# KiCad board hh2024.kicad_pcb (continued)
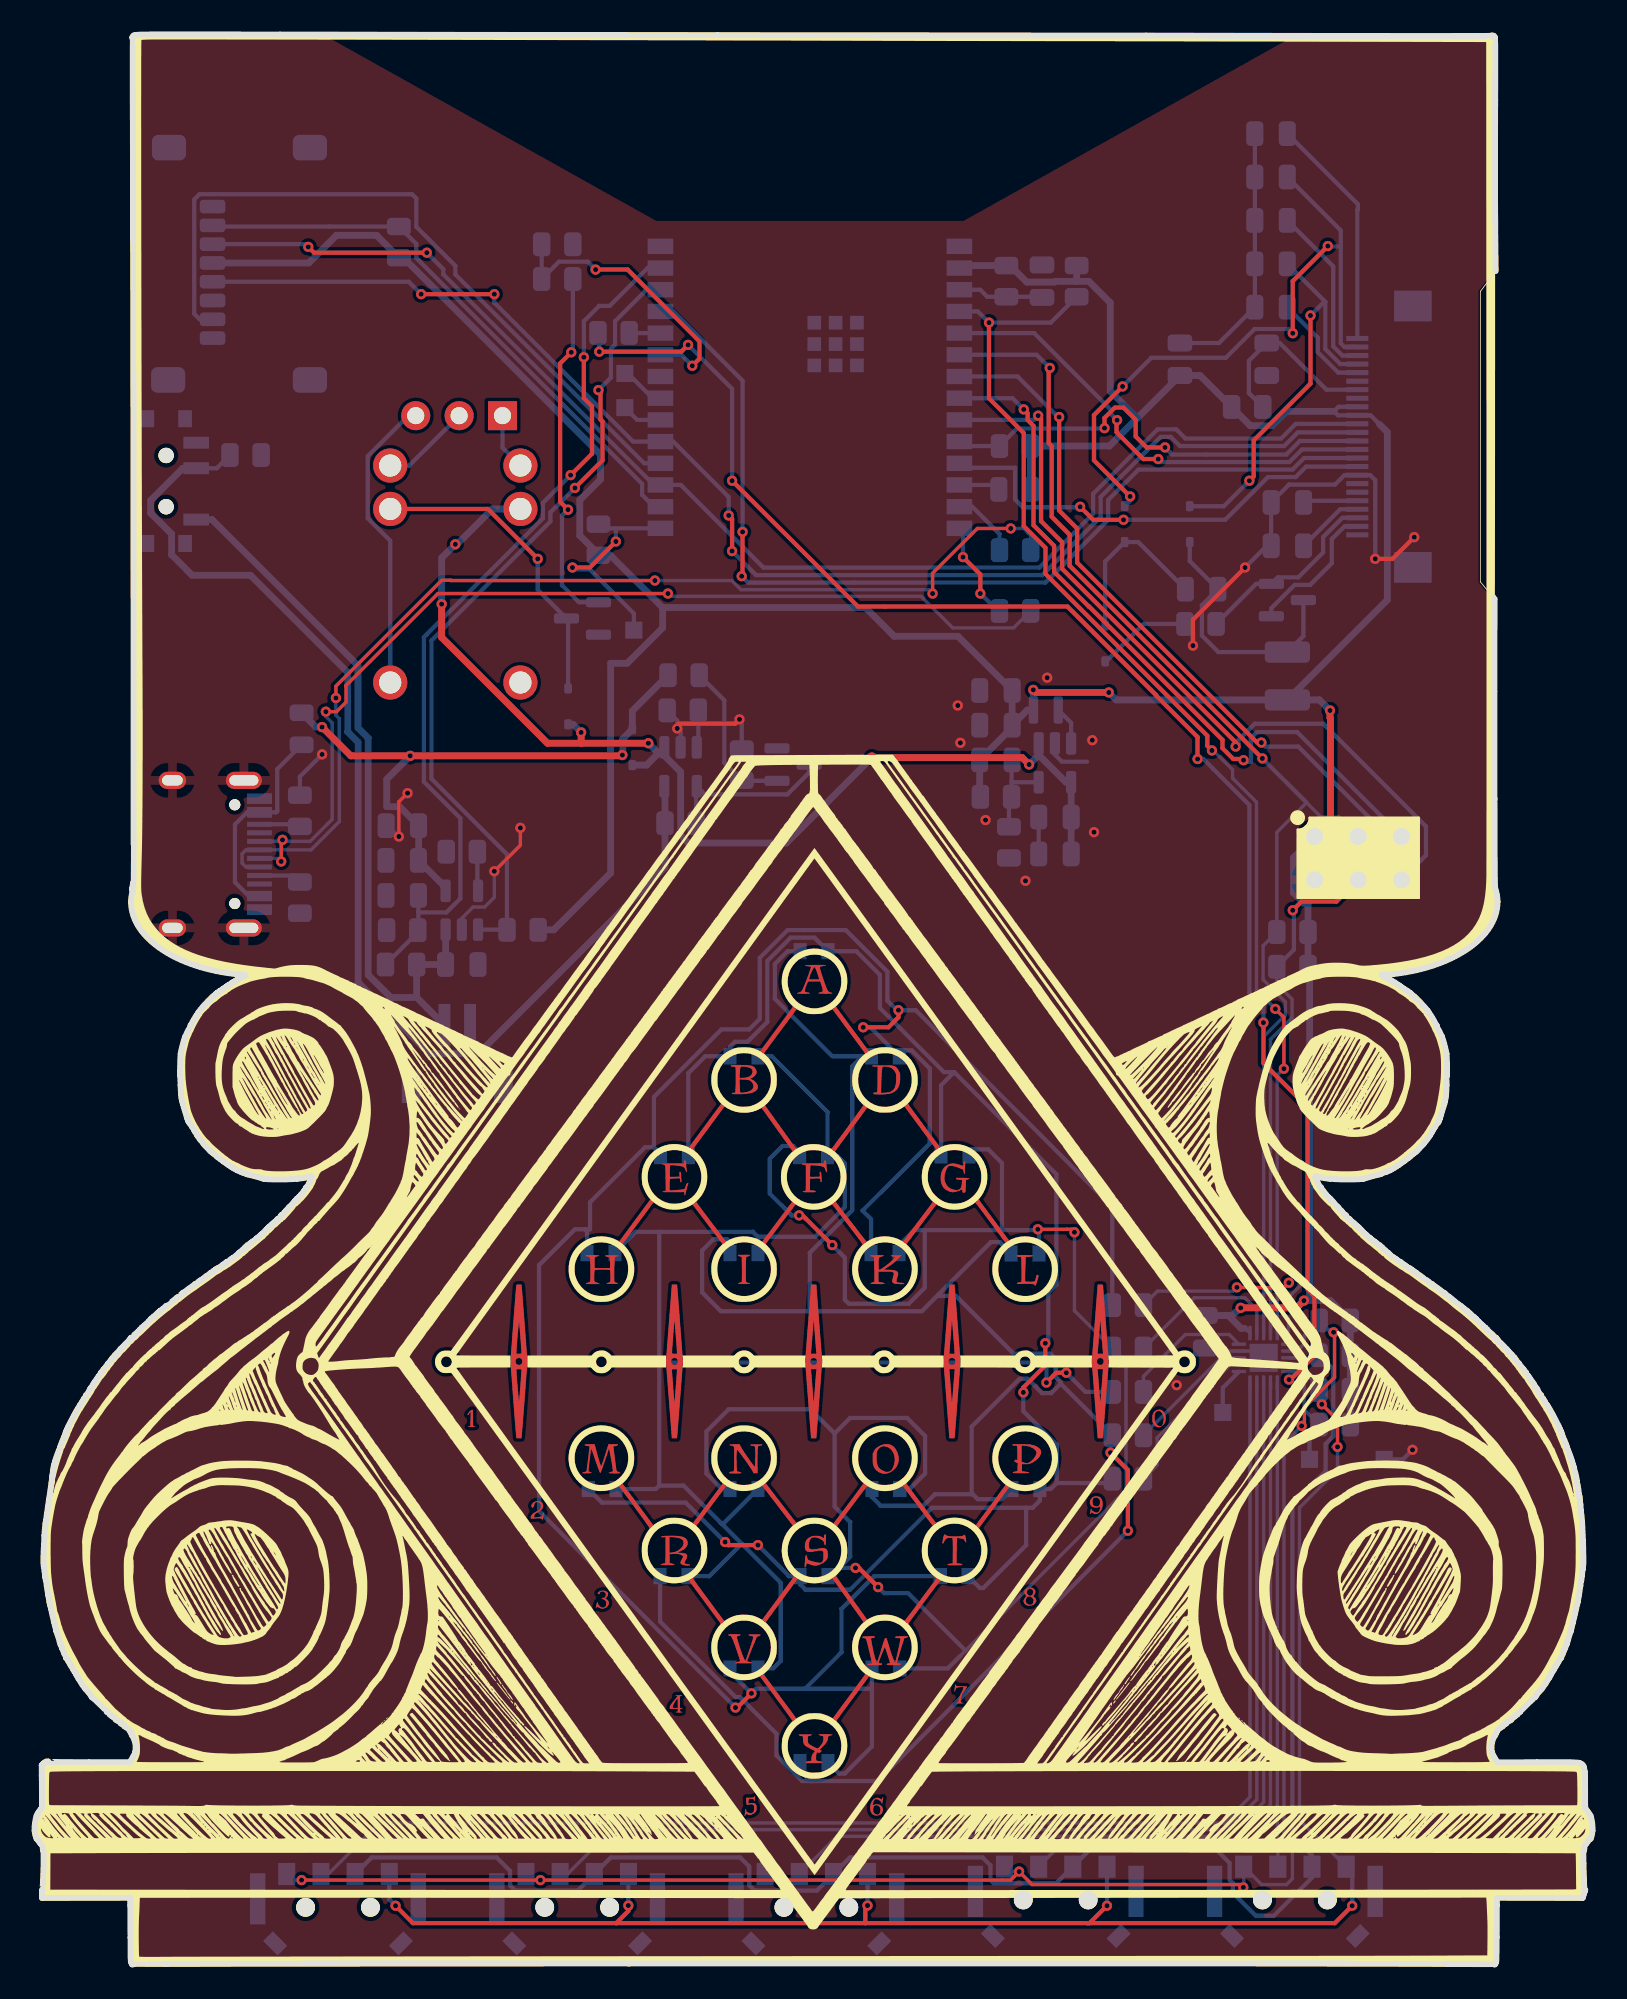
[diagram p0: board, top side]
## Library data of the parts (continued)

## Footprints (pads in the part's own frame, mm; a bottom-side part is the same pattern mirrored in y, then rotated)
C_0805_2012Metric
  rrect 1x1.45 smd: 1(-0.95,0) 2(0.95,0)
D_SOD-323
  rrect 0.6x0.45 smd: 1(-1.05,0) 2(1.05,0)
ESP32-C6-WROOM-1
  rect 1.5x0.9 smd: 1(-8.75,8.26) 2(-8.75,6.99) 3(-8.75,5.72) 4(-8.75,4.45) 5(-8.75,3.18) 6(-8.75,1.91) 7(-8.75,0.64) 8(-8.75,-0.63) 9(-8.75,-1.9) 10(-8.75,-3.17) 11(-8.75,-4.44) 12(-8.75,-5.71) 13(-8.75,-6.98) 14(-8.75,-8.25) 15(8.75,-8.25) 16(8.75,-6.98) 17(8.75,-5.71) 18(8.75,-4.44) 19(8.75,-3.17) 20(8.75,-1.9) 21(8.75,-0.63) 22(8.75,0.64) 23(8.75,1.91) 24(8.75,3.18) 25(8.75,4.45) 26(8.75,5.72) 27(8.75,6.99) 28(8.75,8.26)
  rect 0.8x0.8 smd: 29(-2.755,1.29) 29(-2.755,2.54) 29(-2.755,3.79) 29(-1.505,1.29) 29(-1.505,2.54) 29(-1.505,3.79) 29(-0.255,1.29) 29(-0.255,2.54) 29(-0.255,3.79)
Fuse_0805_2012Metric
  rrect 0.975x1.4 smd: 1(-0.938,0) 2(0.938,0)
Hirose_FH12-24S-0.5SH_1x24-1MP_P0.50mm_Horizontal
  rect 0.3x1.3 smd: 1(-5.75,1.85) 2(-5.25,1.85) 3(-4.75,1.85) 4(-4.25,1.85) 5(-3.75,1.85) 6(-3.25,1.85) 7(-2.75,1.85) 8(-2.25,1.85) 9(-1.75,1.85) 10(-1.25,1.85) 11(-0.75,1.85) 12(-0.25,1.85) 13(0.25,1.85) 14(0.75,1.85) 15(1.25,1.85) 16(1.75,1.85) 17(2.25,1.85) 18(2.75,1.85) 19(3.25,1.85) 20(3.75,1.85) 21(4.25,1.85) 22(4.75,1.85) 23(5.25,1.85) 24(5.75,1.85)
  rect 1.8x2.2 smd: MP(-7.65,-1.4) MP(7.65,-1.4)
HRS1H-S-DC3V
  round 2 hole 1.3: 1(-6.35,-3.81) 2(3.81,-3.81) 3(6.35,-3.81) 4(6.35,3.81) 5(3.81,3.81) 6(-6.35,3.81)
Inductor_MSC20FC
  rrect 0.55x1.6 smd: 1(-0.725,0) 2(0.725,0)
JST_S2B-ZR-SM4A-TF(LF)(SN)
  rect 0.7x2.5 smd: 1(-0.75,2.15) 2(0.75,2.15)
  rect 1.1x1.9 smd: MP(-2.7,-1.45) MP(2.7,-1.45)
L_1210_3225Metric
  rrect 1.25x2.65 smd: 1(-1.4,0) 2(1.4,0)
MicroSD-SOFNG-TF-002-H18
  rrect 0.8x1.5 smd: 1(3.3,-0.05) 2(2.2,-0.05) 3(1.1,-0.05) 4(0,-0.05) 5(-1.1,-0.05) 6(-2.2,-0.05) 7(-3.3,-0.05) 8(-4.4,-0.05)
  rrect 1.5x2 smd: 9(-6.85,-2.65) 9(-6.85,5.65) 9(6.75,-2.6) 9(6.75,5.65)
PinHeader_1x03_P2.54mm_Vertical
  rect 1.7x1.7 hole 1: 1(0,0)
  oval 1.7x1.7 hole 1: 2(0,-2.54) 3(0,-5.08)
QFN-20-1EP_3x3mm_P0.4mm_EP1.65x1.65mm
  rrect 0.67x0.67 smd: (-0.41,-0.41) (-0.41,0.41) (0.41,-0.41) (0.41,0.41)
  rrect 0.85x0.2 smd: 1(-1.45,0.8) 2(-1.45,0.4) 3(-1.45,0) 4(-1.45,-0.4) 5(-1.45,-0.8) 11(1.45,-0.8) 12(1.45,-0.4) 13(1.45,0) 14(1.45,0.4) 15(1.45,0.8)
  rrect 0.2x0.85 smd: 6(-0.8,-1.45) 7(-0.4,-1.45) 8(0,-1.45) 9(0.4,-1.45) 10(0.8,-1.45) 16(0.8,1.45) 17(0.4,1.45) 18(0,1.45) 19(-0.4,1.45) 20(-0.8,1.45)
  rect 1.65x1.65 smd: 21(0,0)
R_0805_2012Metric
  rrect 1.025x1.4 smd: 1(-0.912,0) 2(0.912,0)
SAO2
  oval 1.7x1.7 hole 1: 1(0,0) 2(2.54,0) 3(0,-2.54) 4(2.54,-2.54) 5(0,-5.08) 6(2.54,-5.08)
SOT-23
  rrect 1.475x0.6 smd: 1(-0.938,0.95) 2(-0.938,-0.95) 3(0.938,0)
SOT-23-5
  rrect 1.325x0.6 smd: 1(-1.137,0.95) 2(-1.137,0) 3(-1.137,-0.95) 4(1.137,-0.95) 5(1.137,0.95)
SW_SPDT_PCM12
  rect 1x0.8 smd: (-3.65,-1.43) (-3.65,0.78) (3.65,-1.43) (3.65,0.78)
  round 0.9 hole 0.9 unplated: (-1.5,-0.33) (1.5,-0.33)
  rect 0.7x1.5 smd: 1(-2.25,1.43) 2(0.75,1.43) 3(2.25,1.43)
TestPoint_Pad_1.0x1.0mm
  rect 1x1 smd: 1(0,0)
TM-2023
  rect 0.9x3 smd: (-4.688,-0.471) (4.712,-0.471)
  rect 1.2x0.8 smd rot 135: (-3.668,2.139)
  round 1.1 hole 1.1 unplated: (-1.888,0.029) (1.912,0.029)
  rect 1.2x0.8 smd rot 45: (3.692,2.139)
  rect 1x1.3 smd: 1(-2.988,-1.921) 2(3.012,-1.921) C(-0.988,-1.921) T(1.012,-1.921)
USB_C_Receptacle_HRO_TYPE-C-31-M-12
  round 0.65 hole 0.65 unplated: (-2.89,2.6) (2.89,2.6)
  rect 0.6x1.45 smd: A1(-3.25,4.045) A4(-2.45,4.045) A9(2.45,4.045) A12(3.25,4.045) B1(3.25,4.045) B4(2.45,4.045) B9(-2.45,4.045) B12(-3.25,4.045)
  rect 0.3x1.45 smd: A5(-1.25,4.045) A6(-0.25,4.045) A7(0.25,4.045) A8(1.25,4.045) B5(1.75,4.045) B6(0.75,4.045) B7(-0.75,4.045) B8(-1.75,4.045)
  oval 1x1.6 hole 0.6x1.2: S1(-4.32,-1.05) S1(4.32,-1.05)
  oval 1x2.1 hole 0.6x1.7: S1(-4.32,3.13) S1(4.32,3.13)
XL-1606UOC Side Sticker LED
  rect 0.77x0.95 smd: 1(0.815,0.475) 2(-0.815,0.475)

## Nets
+3V3: C2.2 C4.1 C8.1 C10.1 C11.1 C17.2 J1.1 J3.4 J6.9 J6.10 L1.1 L2.1 R1.1 R2.2 R3.2 R6.2 R7.2 R8.1 R12.1 R14.2 R22.1 R28.1 R29.1 R30.1 R34.1 R43.1 U1.2 U5.6
GND: C1.2 C2.1 C4.2 C5.2 C6.2 C7.1 C9.1 C10.2 C11.2 C12.2 C13.2 C15.2 C16.1 C17.1 C18.1 C19.1 C20.1 C21.1 C22.1 C23.1 D2.1 J1.2 J3.6 J3.9 J4.A1 J4.A12 J4.B1 J4.B12 J4.S1 J5.1 J5.MP J6.8 J6.17 J6.MP Q1.2 Q3.2 R4.1 R5.1 R11.2 R13.1 R16.1 R19.1 R20.1 R21.1 R31.1 R32.1 TP6.1 U1.1 U1.12 U1.28 U1.29 U2.2 U3.2 U4.2 U5.4 U5.21
VBAT: C12.1 J5.2 R18.2 SW6.1 U3.3
VIN: C5.1 C6.1 D1.1 D25.1 K1.5 U2.1 U2.4 U4.1
/A: D5.1 D9.1 D12.1 D14.1 D21.2 D22.2 D23.2 D24.2 R27.2
/B: D6.1 D10.1 D13.1 D14.2 D18.2 D19.2 D20.2 D21.1 R26.2
/C: D7.1 D11.1 D12.2 D13.2 D16.2 D17.2 D18.1 D22.1 R25.2
/CC1: J4.A5 R4.2
/CC2: J4.B5 R5.2
/CH32 reset: TP1.1 U5.1
/D: D8.1 D9.2 D10.2 D11.2 D15.2 D16.1 D19.1 D23.1 R24.2
/E: D5.2 D6.2 D7.2 D8.2 D15.1 D17.1 D20.1 D24.1 R23.2
/E-Paper/BUSY: J6.16 U1.11
/E-Paper/CS: J6.13 R7.1 U1.10
/E-Paper/DC: J6.14 U1.5
/E-Paper/GDR: J6.23 Q2.1
/E-Paper/MOSI: J3.3 J6.11 U1.17
/E-Paper/PREVGH: C16.2 D4.1 J6.4
/E-Paper/PREVGL: C15.1 D3.2 J6.2
/E-Paper/RESE: J6.22 Q2.2 R21.2
/E-Paper/RESET: J6.15 U1.25
/E-Paper/SCK: J3.5 J6.12 U1.19
/E-Paper/VCOM: C23.2 J6.1
/E-Paper/VGH: C19.2 J6.20
/E-Paper/VGL: C18.2 J6.21
/E-Paper/VSH: C21.2 J6.5
/E-Paper/VSL: C22.2 J6.3
/microcontroller/CH32 Prog: R33.1 U1.24
/microcontroller/D+: J4.A6 J4.B6 R9.1
/microcontroller/D-: J4.A7 J4.B7 R10.1
/microcontroller/Low Pow CH32: R34.2 U1.4 U5.11
/microcontroller/Relay Ctrl: R32.2 R35.2 U1.23
/microcontroller/SAO IO1: J1.5 U1.8
/microcontroller/SAO IO2: J1.6 U1.9
/microcontroller/SDCARD CS: J3.2 R1.2 U1.16
/microcontroller/SPI MISO: J3.7 U1.18
/Power management/CHRG: R14.1 U1.26 U3.1
/Power management/FB33: C8.2 R11.1 R12.2 U2.5
/Power management/SENSE: C13.1 R18.1 R19.2 U1.27
/Power management/SW33: L1.2 U2.3
/USB_VBUS: F1.2 J4.A4 J4.A9 J4.B4 J4.B9
LED A: R27.1 U5.5
LED B: R26.1 U5.7
LED C: R25.1 U5.2
LED D: R24.1 U5.10
LED E: R23.1 U5.3
MSWB: R29.2 SW1.T SW2.T SW3.T SW4.T SW5.T U5.13
MSWL: R28.2 SW1.2 SW2.2 SW3.2 SW4.2 SW5.2 U5.14
MSWR: R30.2 SW1.1 SW2.1 SW3.1 SW4.1 SW5.1 U5.12
MSWS1: SW1.C U5.20
MSWS2: SW2.C U5.19
MSWS3: SW3.C U5.18
MSWS4: SW4.C U5.17
MSWS5: SW5.C U5.16
SCL: J1.4 R2.1 U1.7 U5.9
SDA: J1.3 R3.1 U1.6 U5.8
VUSB: C7.2 C9.2 D1.2 F1.1 R15.1 U3.4
Net-(D2-A): C14.1 D2.2 D3.1
Net-(D4-A): C14.2 D4.2 L2.2 Q2.3
Net-(D25-A): D25.2 K1.2 Q3.3
Net-(J2-Pin_1): J2.1 K1.4
Net-(J2-Pin_2): J2.2 K1.3
Net-(J2-Pin_3): J2.3 K1.1
Net-(J6-Pin_7): C20.2 J6.7 R22.2
Net-(Q1-D): Q1.3 R17.2 U4.4
Net-(Q1-G): Q1.1 R15.2 R16.2
Net-(Q3-G): Q3.1 R35.1
Net-(SW6-B): R17.1 R31.2 SW6.2 U4.5
Net-(U1-EN/CHIP_PU): C1.1 R6.1 U1.3
Net-(U1-GPIO9): R8.2 TP3.1 U1.15
Net-(U1-GPIO12/USB_D-): R10.2 U1.13
Net-(U1-GPIO13/USB_D+): R9.2 U1.14
Net-(U1-GPIO22): TP4.1 U1.20
Net-(U1-GPIO23): TP5.1 U1.21
Net-(U3-PROG): R13.2 U3.5
Net-(U4-SET): R20.2 U4.3
Net-(U5-PD1): R33.2 R43.2 TP2.1 U5.15

Pads without a net: J3 1 8; J4 A8 B8; J6 6 18 19 24; K1 6; SW6 3; U1 22

## Via types
v1: diameter 0.6, hole 0.3, Top to Bottom, 128 vias

## Routing (per net, layer and track width the routed paths; a pad name or vN(x,y) marks a point on that pad's centre or on a via; arc(x,y) is an arc through that point)
+3V3: length 232.1
  Top w0.4: J1.1 75.88,66.98 75.88,72.97 75.85,73 v1(75.85,73.43) ; v1(74.33,38.88) 73.93,38.48 73.93,38.46 v1(70.63,38.46) ; v1(58.48,74.64) 58.64,74.48 v1(62.9,74.48)
  Bottom w0.2: U5.6 70.89,37.26 70.85,37.26
  Bottom w0.25: 78.75,90.18 78.23,90.71 J6.10 76.32,90.71 76.09,90.94 76.35,91.21 J6.9
  Bottom w0.4: R43.1 R28.1 R29.1 R30.1 75.88,38.88 74.65,38.88 ; v1(58.48,74.64) 58.48,73.47 L1.1 58.14,73.46 C10.1 ; 36.79,79.46 48.65,79.46 50.34,77.77 54.08,77.77 C11.1 C10.1 ; 36.79,79.46 33.73,82.51 R8.1 33.03,82.58 31.94,83.67 31.94,85.74 33.15,86.96 33.15,88.4 21.62,99.94 R1.1 20.04,101.25 17.7,101.25 16.08,99.63 J3.4 ; 36.79,79.46 36.79,78.27 34.71,76.19 33.74,76.19 33.74,63.92 30.42,60.59 R14.2 ; 64.57,90.54 62.99,92.12 62.99,97.3 61.74,98.55 60.97,98.55 ; 64.57,90.54 C17.2 68.25,93.04 R22.1 71.19,90.1 72.45,90.1 73.29,90.94 76.09,90.94 ; 64.57,90.54 62.94,88.91 R7.2 58.33,86.41 C4.1 ; R12.1 55.35,68.42 C8.1 57.25,72.44 C10.1 ; 70.85,37.26 70.65,37.26 69.9,38.01 69.65,38.01 ; v1(75.85,73.43) 75.23,74.05 L2.1 ; 54.16,99.33 54.3,99.48 R6.2 57.14,99.48 58.1,98.51 59.73,98.51 59.78,98.55 60.97,98.55 ; J1.1 73.72,64.82 73.72,62.75 74.32,62.16 74.57,62.16 R3.2 R2.2 74.66,58.34 74.66,38.89 74.65,38.88 ; 69.65,38.01 C2.2 ; 69.65,38.01 70.12,38.01 v1(70.63,38.46) ; R34.1 61.02,98.6 60.97,98.55 ; 74.65,38.88 v1(74.33,38.88) ; 78.75,90.18 79.21,89.73 79.21,79.9 L2.1 ; v1(62.9,74.48) 63.34,74.05 L2.1
GND: length 83.7
  Top w0.2: v1(26.94,64.02) 28.46,65.54 v1(28.46,66.56) ; v1(21.86,68.59) 21.35,68.08 v1(21.35,66.05)
  Top w0.25: v1(70.88,81.8) 67.83,78.75 v1(67.83,77.23) ; v1(80.79,83.58) 79.52,82.31 v1(78.5,82.31) ; v1(37.64,72.38) 37.72,72.46 37.72,72.66 41.03,72.66 v1(41.29,72.91)
  Bottom w0.2: 68.55,35.76 C2.1 68.73,35.93 U5.4 71.57,35.93 U5.21 ; C7.1 20.71,66.69 v1(21.35,66.05) ; v1(26.94,64.02) 26.94,62.5 26.37,61.92 25.69,61.92 25.03,61.26 U3.2
  Bottom w0.25: 61.63,70.44 60.16,70.44 59.75,70.84 U2.2 ; C17.1 69.36,94.94 C21.1 C16.1 C22.1 C15.2 C23.1 71.45,106.88 71.64,106.69 ; R20.1 37.64,72.85 v1(37.64,72.38) 37.84,72.19 U4.2 ; D2.1 62.75,76.3 64.94,78.5 R21.1 67.83,78.03 v1(67.83,77.23) ; U1.12 56.21,86.63 C4.2 ; v1(16.85,70.86) 15.55,69.56 R5.1 ; C6.2 C5.2 58.78,67.17 ; v1(80.68,30.15) 80.12,29.59 TP6.1 ; v1(41.29,72.91) 41.42,72.78 41.42,71.17 ; v1(70.88,81.8) 72.15,83.07 C18.1 C19.1 73.45,86.65 76.15,86.65 76.7,87.21 J6.17 78.21,87.21 78.5,86.92 v1(78.5,82.31)
  vias: v1(54.06,73.72) v1(54.22,71.54) v1(55.69,67.02) v1(58.03,63.46) v1(59.3,75.35) v1(61.94,71.69) v1(62.04,66.31) v1(66.88,33.93)
VBAT: length 42.7
  Bottom w0.4: 22.39,56.63 20.87,56.63 19.55,57.95 19.55,71.82 18.95,72.42 18.95,76.06 10.4,84.61 SW6.1 ; 22.39,56.63 J5.2 ; 22.39,56.63 R18.2 C12.1 U3.3
VIN: length 66.5
  Top w0.4: v1(23.85,79.66) 23.85,77.7 30.04,71.51 32.02,71.51 ; v1(49.04,70.67) 57.83,70.67 v1(58.24,70.27) ; 32.02,71.51 v1(32.02,72.15) ; 32.02,71.51 v1(35.95,71.51) ; 24.65,83.06 v1(24.65,83.16)
  Bottom w0.4: D1.1 35.85,70.23 36.54,70.93 ; 58.8,70.83 U2.1 ; 58.8,70.83 58.24,70.27 v1(58.24,70.27) ; 58.8,70.83 60.4,69.23 U2.4 C5.1 C6.1 ; 36.54,70.93 v1(35.95,71.51) ; 36.54,70.93 U4.1 36.89,70.79 37.84,69.83 37.84,66.12 38.29,65.67 44.03,65.67 v1(49.04,70.67) ; v1(32.02,72.15) 31.54,72.62 D25.1 ; v1(23.85,79.66) 23.85,82.36 v1(24.65,83.16) 24.75,83.16 26.82,85.23 K1.5
/A: length 95.9
  Top w0.25: v1(60.42,34.66) 59.83,34.66 v1(59.25,34.08)
  Bottom w0.25: 40.18,25.89 38.01,28.05 36.59,28.05 ; 40.18,25.89 40.23,25.84 40.35,25.84 42.37,27.85 ; 40.18,25.89 41.42,24.65 ; 42.37,42.62 42.08,42.91 36.59,42.91 ; 42.37,42.62 45.71,42.62 47.45,44.36 47.45,46.91 47.02,47.34 D14.1 46.44,49.92 43.17,53.19 D12.1 ; 42.37,42.62 42.37,41.66 42.41,41.66 ; 36.59,42.91 35.2,42.91 33.99,41.7 33.99,41.66 ; 36.59,42.91 36.59,35.26 ; 41.42,24.65 39.52,22.75 D24.2 ; 41.42,24.65 43.7,22.36 43.7,17.79 43.26,17.35 42.37,17.35 ; v1(59.25,34.08) 59.25,35.06 59.05,35.26 36.59,35.26 ; 36.59,28.05 36.59,35.26 ; 36.59,28.05 36.39,27.85 34.07,27.85 ; v1(60.42,34.66) 61.54,33.54 R27.2
/B: length 116.3
  Top w0.2: v1(58.75,43.06) 60.72,43.06 v1(60.89,42.88)
  Top w0.25: v1(49.4,22.11) 48.28,23.23 v1(48.08,23.23) ; v1(44.78,43.87) 44.98,43.87 v1(46.72,42.13)
  Bottom w0.2: 54.23,18.1 63.91,27.79 63.91,35.28 R26.2 60.89,38.3 v1(60.89,42.88) ; v1(58.75,43.06) 58.75,42.94
  Bottom w0.25: 52.13,43.01 51.51,43.01 50.62,42.11 50.62,41.66 ; 52.13,43.01 52.13,39.64 51.19,38.7 47.69,38.7 47.45,38.94 47.45,41.4 v1(46.72,42.13) ; 52.13,43.01 56.65,43.01 ; 56.65,43.01 58.7,43.01 v1(58.75,43.06) 58.82,42.99 D6.1 ; 56.65,43.01 56.65,46.93 55.85,47.73 54.93,47.73 54.72,47.52 D13.1 ; 54.23,18.1 53.48,17.35 50.67,17.35 ; 46.86,31.11 46.86,26.83 47.77,25.92 47.77,23.89 47.11,23.23 ; 46.86,31.11 45.44,32.52 40.65,32.52 39.35,31.22 39.35,28.76 40.26,27.85 40.74,27.85 ; 46.86,31.11 47.77,32.02 51.1,32.02 52.15,30.96 52.15,28.76 51.25,27.85 50.67,27.85 ; 47.11,23.23 46.63,22.75 D18.2 ; 47.11,23.23 v1(48.08,23.23) ; v1(44.78,43.87) 44.34,43.87 43.05,45.16 43.05,47.18 43.8,47.93 44.43,47.93 44.81,47.55 D14.2 ; 54.52,18.39 51.15,21.76 49.75,21.76 v1(49.4,22.11)
/C: length 107.3
  Top w0.25: v1(42.36,24.57) 40.63,24.57 v1(40.44,24.75) ; v1(59.19,36.39) 59.19,35.08 57.9,33.8 v1(57.9,33.51)
  Bottom w0.25: D16.2 55.36,22.06 55.55,22.06 58.07,24.57 58.07,26.76 ; 32.44,27.85 33.23,27.06 38.14,27.06 v1(40.44,24.75) ; 58.07,26.76 58.45,26.76 58.87,27.17 58.87,27.85 59.5,27.85 59.85,28.2 ; 58.07,26.76 52.56,26.76 47.76,21.96 45.15,21.96 44.84,22.27 D18.1 44.18,22.75 v1(42.36,24.57) ; D13.2 53.09,51.49 53.85,52.26 ; v1(59.19,36.39) 59.36,36.56 59.36,39.34 59.84,39.82 59.84,46.27 53.85,52.26 ; D11.1 38.29,52.2 39.28,53.19 40.74,53.19 40.74,53.74 41.03,54.03 41.75,54.03 42.92,55.2 42.92,58.77 44.28,60.13 45.67,60.13 D7.1 48.12,59.34 49.51,57.96 49.51,56.01 53.26,52.26 53.85,52.26 ; 59.85,28.2 59.85,30.46 57.9,32.41 v1(57.9,33.51) ; 59.85,28.2 62.85,28.2 R25.2
/CC1: length 2.5
  Bottom w0.25: J4.A5 15.18,63.77 R4.2
/CC2: length 2.4
  Bottom w0.25: R5.2 15.43,66.77 J4.B5
/CH32 reset: length 2.8
  Bottom w0.25: 70.52,34.72 69.58,33.78 TP1.1
/D: length 143.9
  Top w0.25: v1(48.53,54.88) 50.01,54.88 50.59,55.47 v1(50.59,55.88) ; v1(41.99,15.89) 41.15,15.06 v1(41.05,15.06)
  Bottom w0.25: 36.28,47.86 36.66,47.47 D11.2 ; 36.28,47.86 36.28,50.81 40.23,54.76 41.85,54.76 42.48,55.38 42.48,58.95 44.1,60.57 47.51,60.57 49.95,58.14 49.95,56.44 50.5,55.88 v1(50.59,55.88) 51.6,55.88 63.11,44.38 R24.2 ; 36.28,47.86 35.75,47.86 32.54,44.64 32.54,43.06 32.23,43.06 ; 49.04,16.06 49.04,17.35 ; 49.04,16.06 48.94,16.16 45.12,16.16 ; 49.04,16.06 49.04,12.78 47.45,11.2 47.12,11.2 46.47,11.85 ; 45.12,16.16 42.25,16.16 v1(41.99,15.89) 40.74,17.14 40.74,17.35 ; 45.12,16.16 47.26,18.3 47.26,20.84 49.17,22.75 D16.1 ; 46.37,11.85 46.4,11.85 ; 48.99,41.66 48.99,43.64 48.49,44.14 52.43,48.08 52.43,52.47 51.36,53.53 50.99,53.53 D8.1 48.95,54.88 v1(48.53,54.88) ; 32.23,43.06 32.36,42.92 32.36,41.66 ; 32.23,43.06 31.65,43.06 29.55,40.96 29.55,26.56 v1(41.05,15.06)
/E: length 136.2
  Top w0.25: v1(63.01,29.98) 64.02,28.97 v1(64.02,25.41)
  Bottom w0.25: 45.4,38.26 40.2,38.26 39.1,39.36 39.1,41.82 39.75,42.47 40.57,42.47 40.74,42.3 40.74,41.66 ; 45.4,38.26 45.4,41.69 47.89,44.18 47.89,52.6 48.48,53.19 D8.2 46.72,53.19 43.36,56.56 43.36,58.59 44.11,59.34 D7.2 ; 45.4,38.26 51.95,38.26 52.93,39.23 ; 52.93,39.23 53,39.16 53.95,39.16 57.35,35.76 57.37,35.77 59.49,35.77 59.8,35.46 59.8,34.41 60.09,34.12 60.09,34.02 ; 52.93,39.23 56,42.31 56.52,42.31 D6.2 ; 60.09,34.02 R23.2 63.01,30.9 v1(63.01,29.98) ; 60.09,34.02 59.54,33.47 59,33.47 58.16,34.31 57.67,34.31 54.88,31.51 54.88,27.61 54.94,27.55 ; 45.55,10.76 49.35,10.76 49.78,11.19 49.8,11.19 v1(64.02,25.41) ; 45.55,10.76 44.95,10.76 43.45,12.26 43.45,13.53 41.31,15.67 41.06,15.67 36.64,20.1 D24.1 ; 45.55,10.76 45.45,10.76 44.74,11.47 44.74,11.85 ; 54.94,27.55 55.23,27.26 56.64,27.26 57.24,27.85 ; 54.94,27.55 52.72,27.55 52.04,26.87 49.55,26.87 49.04,27.38 49.04,27.85
/E-Paper/BUSY: length 27.1
  Top w0.25: v1(63.77,84.59) 61.99,84.59 v1(61.23,85.36)
  Bottom w0.25: v1(63.77,84.59) 69.72,84.59 72.22,87.09 73.84,87.09 74.46,87.71 J6.16 ; v1(61.23,85.36) 61.2,85.33 57.88,85.33 57.42,85.79 57.42,87.64 54.42,87.64 U1.11
/E-Paper/CS: length 26.7
  Top w0.25: v1(62.65,89.96) 62.65,90.56 63.26,91.16 63.77,91.16 64.48,90.45 64.48,89.47 65.14,88.81 65.17,88.83 v1(66.2,88.83)
  Bottom w0.25: v1(62.65,89.96) 62.63,89.93 57.52,89.93 R7.1 54.42,88.91 54.16,89.17 ; v1(66.2,88.83) 66.61,88.41 73.3,88.41 74.09,89.21 J6.13
/E-Paper/DC: length 27.3
  Top w0.25: v1(65.8,88.15) 64.93,88.15 63.36,89.72 63.36,90.4 v1(63.39,90.42)
  Bottom w0.25: v1(63.39,90.42) 63.04,90.77 63.04,91.02 58.54,95.52 U1.5 ; J6.14 74.21,88.71 73.48,87.97 65.97,87.97 v1(65.8,88.15)
/E-Paper/GDR: length 8.3
  Bottom w0.25: Q2.1 72.42,79.42 73.78,80.78 74.69,80.78 75.96,82.05 75.96,83.47 76.7,84.21 J6.23
/E-Paper/MOSI: length 79.6
  Top w0.25: v1(16.04,100.57) 16.38,100.23 v1(22.98,100.23)
  Bottom w0.25: J6.11 73.85,90.21 72.99,89.35 67.39,89.35 66.86,89.89 65.76,89.89 61.99,86.12 61.99,84.96 58.83,81.8 42.69,81.8 37.85,86.63 U1.17 36.28,86.63 23.95,98.96 23.95,99.27 v1(22.98,100.23) ; v1(16.04,100.57) 15.88,100.73 J3.3
/E-Paper/PREVGH: length 24.6
  Top w0.25: v1(71.13,86.88) 71.39,87.13 71.39,89.24 74.71,92.56 v1(74.71,96.55)
  Bottom w0.25: v1(71.13,86.88) 69.64,85.39 D4.1 ; C16.2 75.58,97.35 ; 75.58,97.35 75.58,94.59 76.46,93.71 J6.4 ; 75.58,97.35 75.51,97.35 v1(74.71,96.55)
/E-Paper/PREVGL: length 39
  Top w0.25: v1(73.67,95.52) 73.67,98.56 v1(75.73,100.62) ; v1(64.15,85.96) 62.04,88.07 62.04,90.73 v1(63.71,92.4)
  Bottom w0.25: v1(75.73,100.62) 75.75,100.6 76.48,100.6 ; D3.2 64.15,85.71 v1(64.15,85.96) ; v1(63.71,92.4) 65.39,94.08 69.76,94.08 71.44,95.76 73.43,95.76 v1(73.67,95.52) ; J6.2 76.7,94.71 76.48,94.93 76.48,100.6 ; 76.48,100.6 76.48,101.53 C15.1
/E-Paper/RESE: length 11.4
  Bottom w0.25: J6.22 76.58,84.71 75.45,83.58 75.45,82.68 73.99,81.22 72.8,81.22 Q2.2 71.53,80.84 R21.2
/E-Paper/RESET: length 57.9
  Top w0.25: v1(41.47,83.89) 41.47,81.35 v1(41.42,81.29)
  Bottom w0.25: v1(41.47,83.89) 41.47,92.73 37.41,96.79 36.66,96.79 ; J6.15 74.34,88.21 73.66,87.53 64.65,87.53 62.87,85.75 62.87,84.59 59.19,80.92 41.79,80.92 v1(41.42,81.29)
/E-Paper/SCK: length 80.7
  Top w0.25: v1(40.65,84.85) 40.85,84.65 v1(40.85,82.76) ; v1(26.94,97.8) v1(22.65,97.8)
  Bottom w0.25: v1(26.94,97.8) 26.94,97.3 35.06,89.17 37.41,89.17 40.65,85.93 v1(40.65,84.85) ; J3.5 21.93,98.53 v1(22.65,97.8) ; J6.12 73.97,89.71 73.17,88.91 67.07,88.91 66.53,89.45 65.94,89.45 62.43,85.94 62.43,84.77 59.01,81.36 42.26,81.36 v1(40.85,82.76)
/E-Paper/VCOM: length 13.7
  Bottom w0.25: J6.1 77.45,102.72 77.48,102.75 77.48,103.07 C23.2
/E-Paper/VGH: length 3.2
  Bottom w0.25: C19.2 74.41,85.71 J6.20
/E-Paper/VGL: length 4
  Bottom w0.25: J6.21 76.45,85.21 C18.2
/E-Paper/VSH: length 6.2
  Bottom w0.25: J6.5 76.33,93.21 75.14,94.41 75.14,95.25 C21.2
/E-Paper/VSL: length 10.1
  Bottom w0.25: J6.3 76.58,94.21 76.04,94.75 76.04,99.43 C22.2
/microcontroller/CH32 Prog: length 1.8
  Bottom w0.25: U1.24 34.84,95.52 R33.1
/microcontroller/D+: length 60.5
  Top w0.2: v1(14.46,64.59) 14.46,65.78 v1(14.54,65.86) ; v1(17.07,73.36) 17.7,73.36 18.25,73.92 18.25,74.86 18.24,74.88 23.64,80.28 v1(37.1,80.28)
  Bottom w0.2: v1(17.07,73.36) 17.07,73.07 17.44,72.7 17.44,67.06 16.15,65.77 13.95,65.77 ; v1(37.1,80.28) 37.26,80.11 51.92,80.11 53.77,78.26 57.33,78.26 R9.1 ; v1(14.46,64.59) 14.41,64.77 J4.A6 ; 13.95,65.77 14.45,65.77 v1(14.54,65.86) ; 13.95,65.77 J4.B6
/microcontroller/D-: length 63.4
  Top w0.2: v1(57.16,84.09) 55.21,84.09 52.59,81.47 v1(52.59,80.28) ; v1(36.34,81.04) 24.4,81.04 24.38,81.06 23.86,81.06 17.66,74.86 v1(17.66,74.16)
  Bottom w0.2: 58.69,82.82 R10.1 58.33,83.68 57.93,84.09 v1(57.16,84.09) ; v1(52.59,80.28) 52.37,80.5 41.37,80.5 40.83,81.04 v1(36.34,81.04) ; J4.B7 12.4,64.27 12.17,64.5 12.17,65.04 12.4,65.27 J4.A7 16.2,65.27 17.86,66.93 17.86,72.96 17.66,73.16 v1(17.66,74.16)
/microcontroller/Low Pow CH32: length 76
  Top w0.2: v1(73.15,52.46) 73.15,55.46 v1(72.65,55.96)
  Top w0.25: v1(55.89,96.14) 55.89,91.71 57.93,89.67 57.93,84.23 59.2,82.96 59.2,81.43 68.67,71.96 68.67,71.36 v1(68.94,71.09)
  Bottom w0.2: v1(68.94,71.09) 69.02,71.09 70.15,69.96 70.15,69.46 71.55,68.06 71.55,57.06 v1(72.65,55.96) ; U5.11 73.42,37.86 73.16,38.12 73.16,38.8 73.53,39.17 73.53,39.18 74.17,39.82 74.17,40.1 72.76,41.51 72.76,52.07 v1(73.15,52.46)
  Bottom w0.25: 54.16,96.79 55.24,96.79 v1(55.89,96.14) 59.51,96.14 R34.2
/microcontroller/Relay Ctrl: length 17.4
  Top w0.25: v1(38.52,93.61) 38.94,94.03 38.94,95.04 34.74,99.24 v1(32.86,99.24)
  Bottom w0.25: v1(32.86,99.24) 32.4,99.71 30.72,99.71 R35.2 R32.2 ; U1.23 37.88,94.25 v1(38.52,93.61)
/microcontroller/SAO IO1: length 43.6
  Top w0.25: v1(57.93,91.06) 58.15,90.83 58.15,90.44 58.5,90.09 58.5,84.27 59.7,83.07 59.7,81.55 61.74,79.51 61.76,79.51 69.56,71.72 69.56,71.22 70.19,70.59 70.72,70.59 v1(70.79,70.52)
  Bottom w0.25: v1(70.79,70.52) 70.88,70.43 71.22,70.43 71.22,71.81 71.58,72.17 73.93,72.17 80.04,66.06 ; U1.8 57.27,91.71 v1(57.93,91.06)
/microcontroller/SAO IO2: length 47
  Top w0.25: v1(58.77,90.69) 58.94,90.52 58.94,84.52 60.17,83.28 60.17,81.72 70.33,71.57 v1(70.33,71.32)
  Bottom w0.25: 80.04,63.52 81.2,64.68 81.2,64.69 81.47,64.96 81.47,66.64 75.46,72.66 71.45,72.66 70.5,71.71 70.5,71.49 v1(70.33,71.32) ; v1(58.77,90.69) 58.52,90.44 U1.9
  Bottom w0.4: 79.92,63.42 80.01,63.51
/microcontroller/SDCARD CS: length 33.9
  Bottom w0.25: J3.2 10.51,101.76 R1.2 22.37,100.74 22.37,99.92 35.59,86.7 35.59,86.05 36.28,85.36 U1.16
/microcontroller/SPI MISO: length 43.1
  Bottom w0.25: U1.18 35.71,87.9 24.65,98.96 24.65,99.46 22.37,101.74 22.37,103.41 22.13,103.65 9.68,103.65 9.37,103.35 9.37,96.65 9.69,96.33 J3.7
/Power management/CHRG: length 47.2
  Top w0.25: v1(33.03,92.18) 33.15,92.06 33.15,90.46 33.27,90.34 33.27,88.07 v1(31.65,86.46)
  Bottom w0.25: U1.26 35.84,98.06 34,96.22 34,94.85 33.76,94.61 33.76,92.92 v1(33.03,92.18) ; 25.99,60.59 25.98,60.6 27.66,60.6 R14.1 27.68,65.02 23.25,69.44 23.25,77.53 30.22,84.5 30.22,85.03 31.65,86.46 v1(31.65,86.46)
/Power management/FB33: length 5.6
  Bottom w0.25: 57.21,69.27 R12.2 57.06,68.23 R11.1 ; 57.21,69.27 57.21,70.5 C8.2 ; 57.21,69.27 57.25,69.23 U2.5
/Power management/SENSE: length 52.4
  Top w0.25: v1(31.4,87.21) 32.65,88.46 32.65,91.23 32.18,91.71 v1(32.18,94.11)
  Bottom w0.25: 22.49,61.61 24.13,61.61 24.95,62.42 24.95,67.12 22.81,69.26 22.81,77.72 29.78,84.68 29.78,85.59 v1(31.4,87.21) ; 22.49,61.61 22.49,60.61 R19.2 22.45,60.45 R18.1 ; 22.49,61.61 C13.1 ; v1(32.18,94.11) 32.18,96.22 33.08,97.12 33.69,97.12 35.91,99.33 36.66,99.33
/Power management/SW33: length 2.3
  Bottom w0.25: L1.2 60.7,72.7 U2.3
/USB_VBUS: length 12.4
  Bottom w0.25: F1.2 14.23,70 14.23,67.53 14.16,67.47 J4.A9 12.46,67.47 11.75,66.76 11.75,63.38 12.56,62.57 J4.A4 13.2,62.56
LED A: length 7.7
  Bottom w0.2: R27.1 64.93,34.45 67.38,36.9 69.95,36.9 U5.5
LED B: length 9.5
  Bottom w0.2: R26.1 67.9,39.05 70.87,39.05 71.57,38.35 U5.7
LED C: length 9.3
  Bottom w0.2: U5.2 70.01,35.13 65.74,30.86 65.74,29.26 R25.1
LED D: length 12.3
  Top w0.2: v1(70.4,39.66) 72.96,39.64 73.15,39.64 v1(73.44,39.93)
  Bottom w0.2: v1(73.44,39.93) 72.77,39.26 U5.10 ; v1(70.4,39.66) 70.15,39.44 65.75,39.44 R24.1
LED E: length 7.5
  Bottom w0.2: U5.3 69.47,35.53 R23.1
MSWB: length 100.4
  Bottom w0.2: R29.2 75.06,35.53 U5.13
  Bottom w0.25: SW1.T 19.76,6.29 27.07,6.29 27.86,5.5 27.86,4.65 28.16,4.34 31.82,4.34 SW2.T 33.76,6.29 41.33,6.29 41.86,5.76 41.86,4.65 42.16,4.34 45.82,4.34 SW3.T 47.76,6.29 55.51,6.29 55.98,5.82 55.98,4.97 56.17,4.78 59.83,4.78 SW4.T 61.77,6.72 69.22,6.72 69.98,5.96 69.98,4.97 70.17,4.78 70.17,4.22 71.52,2.87 72.57,2.87 74.8,5.1 SW5.T 74.8,6.4 73.65,7.55 73.65,26.96 75.6,28.9 75.6,30.49 76.05,30.94 76.05,34.86 R29.2
MSWL: length 104.5
  Top w0.2: v1(76.29,30.32) 76.29,31.89 v1(75.37,32.82)
  Top w0.25: 48.65,2.44 61.65,2.44 ; 48.65,2.44 48.65,3.34 v1(48.78,3.47) ; 48.65,2.44 34.07,2.44 ; 61.65,2.44 76.13,2.44 v1(77.15,3.46) ; 61.65,2.44 61.78,2.44 v1(62.8,3.46) ; v1(21.15,3.46) 22.17,2.44 34.07,2.44 ; 34.07,2.44 34.78,3.15 v1(34.78,3.47)
  Bottom w0.2: SW5.2 74.07,8.48 74.07,26.76 76.29,28.98 v1(76.29,30.32) 76.01,30.32 ; U5.14 73.93,35.13 75.22,33.85 R28.2 75.22,32.97 v1(75.37,32.82)
  Bottom w0.25: SW3.2 48.79,3.59 48.65,3.46 ; SW5.2 77.15,5.39 v1(77.15,3.46) ; SW1.2 20.79,3.83 v1(21.15,3.46) ; SW2.2 34.78,5.31 v1(34.78,3.47) ; SW4.2 v1(62.8,3.46)
MSWR: length 101.9
  Top w0.2: v1(74.19,31.55) 74.35,31.71 74.35,32.63 76.12,34.4 76.12,36.97 v1(76.06,37.03) ; v1(15.65,4.96) v1(29.63,4.96) v1(43.65,4.96) 57.15,4.96 v1(57.65,5.46) 58.41,4.7 70.61,4.7 v1(70.78,4.53)
  Bottom w0.2: SW1.1 15.14,4.96 v1(15.65,4.96) ; v1(74.19,31.55) 73.16,30.52 73.16,7.45 73.65,6.96 73.65,5.04 73.31,4.7 71.85,4.7 SW5.1 70.8,4.55 v1(70.78,4.53) ; R30.2 74.35,36.86 74.35,36.35 73.93,35.93 U5.12 ; R30.2 75.91,37.03 v1(76.06,37.03) ; R30.2 75.34,37.72 ; v1(57.65,5.46) 57.09,5.46 SW4.1 ; SW2.1 29.14,4.96 v1(29.63,4.96) ; v1(43.65,4.96) 43.14,4.96 SW3.1
MSWS1: length 80.5
  Bottom w0.2: SW1.C 17.22,5.32 20.21,8.3 69.65,8.3 71.17,9.83 U5.20
MSWS2: length 67
  Bottom w0.2: U5.19 71.57,9.68 69.81,7.91 33.82,7.91 31.22,5.32 SW2.C
MSWS3: length 53.5
  Bottom w0.2: SW3.C 46.99,7.52 69.97,7.52 71.97,9.53 U5.18
MSWS4: length 39.8
  Bottom w0.2: SW4.C 60.18,7.13 70.13,7.13 72.37,9.37 U5.17
MSWS5: length 28.3
  Bottom w0.2: SW5.C 72.8,6.86 72.77,6.88 U5.16
SCL: length 74
  Top w0.25: J1.4 76.22,62.24 74.18,62.24 v1(73.67,61.73) ; v1(71.84,71.55) 71.59,71.55 61.05,82.09 61.05,84.09 60,85.14 v1(60,90.61)
  Bottom w0.2: U5.9 72.37,54.18 73.63,55.44 73.63,56.53 72.74,57.42 R2.1
  Bottom w0.25: v1(71.84,71.55) 72.07,71.32 74,71.32 78.66,66.65 78.66,64.68 J1.4 ; U1.7 57.56,92.98 59.93,90.61 v1(60,90.61) ; v1(73.67,61.73) 73.74,61.67 73.74,59.43 R2.1
SDA: length 74.5
  Top w0.25: v1(71.9,70.62) 60.61,81.91 60.61,83.72 59.56,84.78 59.56,88.91 59.38,89.09 59.38,93.42 v1(59.45,93.48)
  Bottom w0.2: U5.8 71.97,50.15 71.98,50.16 71.98,54.35 73.24,55.61 73.24,56.37 71.94,57.67 71.94,59.66 R3.1 72.74,66.29 74.48,68.04 75.33,67.19 76.36,67.19 J1.3
  Bottom w0.25: 74.48,68.04 v1(71.9,70.62) 72,70.62 ; U1.6 58.68,94.25 v1(59.45,93.48)
VUSB: length 36
  Top w0.4: v1(16.85,72.46) 18.54,70.78 v1(22.01,70.78) 34.39,70.78 v1(34.43,70.82)
  Bottom w0.4: v1(22.01,70.78) 20.64,69.4 20.64,67.8 21.39,67.8 C7.2 22.5,64.67 C9.2 24.08,63.06 U3.4 ; v1(34.43,70.82) 34.45,70.84 34.45,71.77 D1.2 35.01,73.41 R15.1 ; F1.1 16.49,72.46 v1(16.85,72.46)
Net-(D2-A): length 10.1
  Bottom w0.25: C14.1 64.63,83.29 D3.1 62.69,82.15 D2.2
Net-(D4-A): length 15.4
  Bottom w0.25: Q2.3 74.3,77.79 L2.2 69.32,76.85 68.35,77.81 68.35,79.59 C14.2 67.64,82.18 D4.2
Net-(D25-A): length 18.2
  Top w0.25: v1(29.48,82.31) 26.56,85.23 K1.2
  Bottom w0.25: D25.2 31.26,78.72 Q3.3 29.48,80.5 v1(29.48,82.31)
Net-(J2-Pin_1): length 4
  Bottom w0.25: J2.1 27.42,88.81 K1.4 27.83,87.77
Net-(J2-Pin_2): length 5.2
  Bottom w0.25: J2.2 21.95,87.77 K1.3
Net-(J2-Pin_3): length 17.6
  Bottom w0.25: 20.84,75.07 20.84,83.37 19.53,84.68 19.53,88.31 21.9,90.69 J2.3
Net-(J6-Pin_7): length 10.9
  Bottom w0.25: J6.7 75.64,92.21 72.91,94.94 C20.2 71.1,93.9 71.1,92.01 R22.2
Net-(Q1-D): length 9.9
  Bottom w0.25: Q1.3 45.36,69.79 44.09,68.52 39.27,68.52 U4.4 38.75,68.96 R17.2
Net-(Q1-G): length 9.3
  Bottom w0.25: Q1.1 41.46,69.31 R16.2 40.4,70.37 40.4,74.02 R15.2
Net-(Q3-G): length 21.1
  Top w0.25: v1(31.44,94.4) 30.79,93.75 30.79,85.65 v1(31.25,85.19)
  Bottom w0.25: R35.1 31.53,94.49 v1(31.44,94.4) ; v1(31.25,85.19) 30.89,84.83 30.89,80.76 31.89,79.77 Q3.1
Net-(SW6-B): length 70
  Bottom w0.25: SW6.2 10.68,87.61 R31.2
  Bottom w0.4: 36.89,66.87 R17.1 ; R17.1 36.93,68.96 U4.5 ; R17.1 36.93,64.26 26.02,53.35 23.13,53.35 18.96,57.52 18.96,71.57 18.35,72.18 18.35,75.66 12.66,81.35 9.24,81.35 8.04,82.55 8.04,83.77 6.82,84.99 6.82,85.73 8.7,87.61 SW6.2
Net-(U1-EN/CHIP_PU): length 5
  Bottom w0.25: C1.1 58.95,97.65 R6.1 55.79,97.65 55.38,98.06 U1.3
Net-(U1-GPIO9): length 13.4
  Top w0.25: v1(31.51,81.8) 32.53,81.8 v1(34.05,83.32)
  Bottom w0.25: v1(31.51,81.8) 31.62,81.69 32.53,81.69 35.1,79.11 TP3.1 ; 34.05,84.09 33.28,84.09 R8.2 ; 34.05,84.09 v1(34.05,83.32) ; 34.05,84.09 36.66,84.09
Net-(U1-GPIO12/USB_D-): length 4
  Bottom w0.25: U1.13 54.91,85.36 56.5,83.77 R10.2
Net-(U1-GPIO13/USB_D+): length 5.9
  Top w0.25: v1(55.39,80.28) 55.39,81.39 v1(54.37,82.41)
  Bottom w0.25: v1(54.37,82.41) 54.37,83.88 54.16,84.09 ; v1(55.39,80.28) 56.4,79.26 R9.2
Net-(U1-GPIO22): length 2.4
  Bottom w0.25: TP4.1 35.3,90.44 U1.20
Net-(U1-GPIO23): length 2.7
  Bottom w0.25: U1.21 36.2,91.71 34.75,93.16 TP5.1
Net-(U3-PROG): length 2.3
  Bottom w0.25: R13.2 25.94,62.91 25.98,62.88
Net-(U4-SET): length 2.2
  Bottom w0.25: U4.3 38.88,71.36 R20.2
Net-(U5-PD1): length 97.4
  Top w0.25: v1(68.1,70.59) 68.1,71.88 65.69,74.29 65.69,74.32 60.49,79.51 48.22,79.51 v1(40.85,86.88) ; v1(71.96,55.16) 71.96,52.79 74.54,50.2 74.54,39.54 74.94,39.14 74.94,35.66 73.54,34.26 v1(73.45,34.26) ; v1(33.08,94.43) 37.88,94.43 v1(38.28,94.83)
  Bottom w0.2: 74.05,34.46 74,34.51 73.7,34.51 v1(73.45,34.26) ; 74.05,34.46 74.35,34.16 74.35,32.49 74.36,32.49 75.22,31.63 R43.2 ; 74.05,34.46 73.78,34.73 U5.15
  Bottom w0.25: v1(71.96,55.16) 71.96,56.07 71.13,56.89 71.13,67.89 69.01,70.02 69.01,70.02 68.44,70.59 v1(68.1,70.59) ; R33.2 33.08,95.46 v1(33.08,94.43) ; v1(40.85,86.88) 40.85,92.26 v1(38.28,94.83) ; TP2.1 74.65,31.06 R43.2

## Copper pours and planes (outline as drawn; the poured copper is in the pictures)
GND on Top, Bottom: 93.45,0.06 -3.35,-0.04 5.65,112.96 85.65,112.96

## Text on the board
B.Silkscreen: Battery/Charger | Power Switch | 3.3V Regulator | Display
